# Altium PCB EPS_V2.PcbDoc (part 1 of 4) (continued)
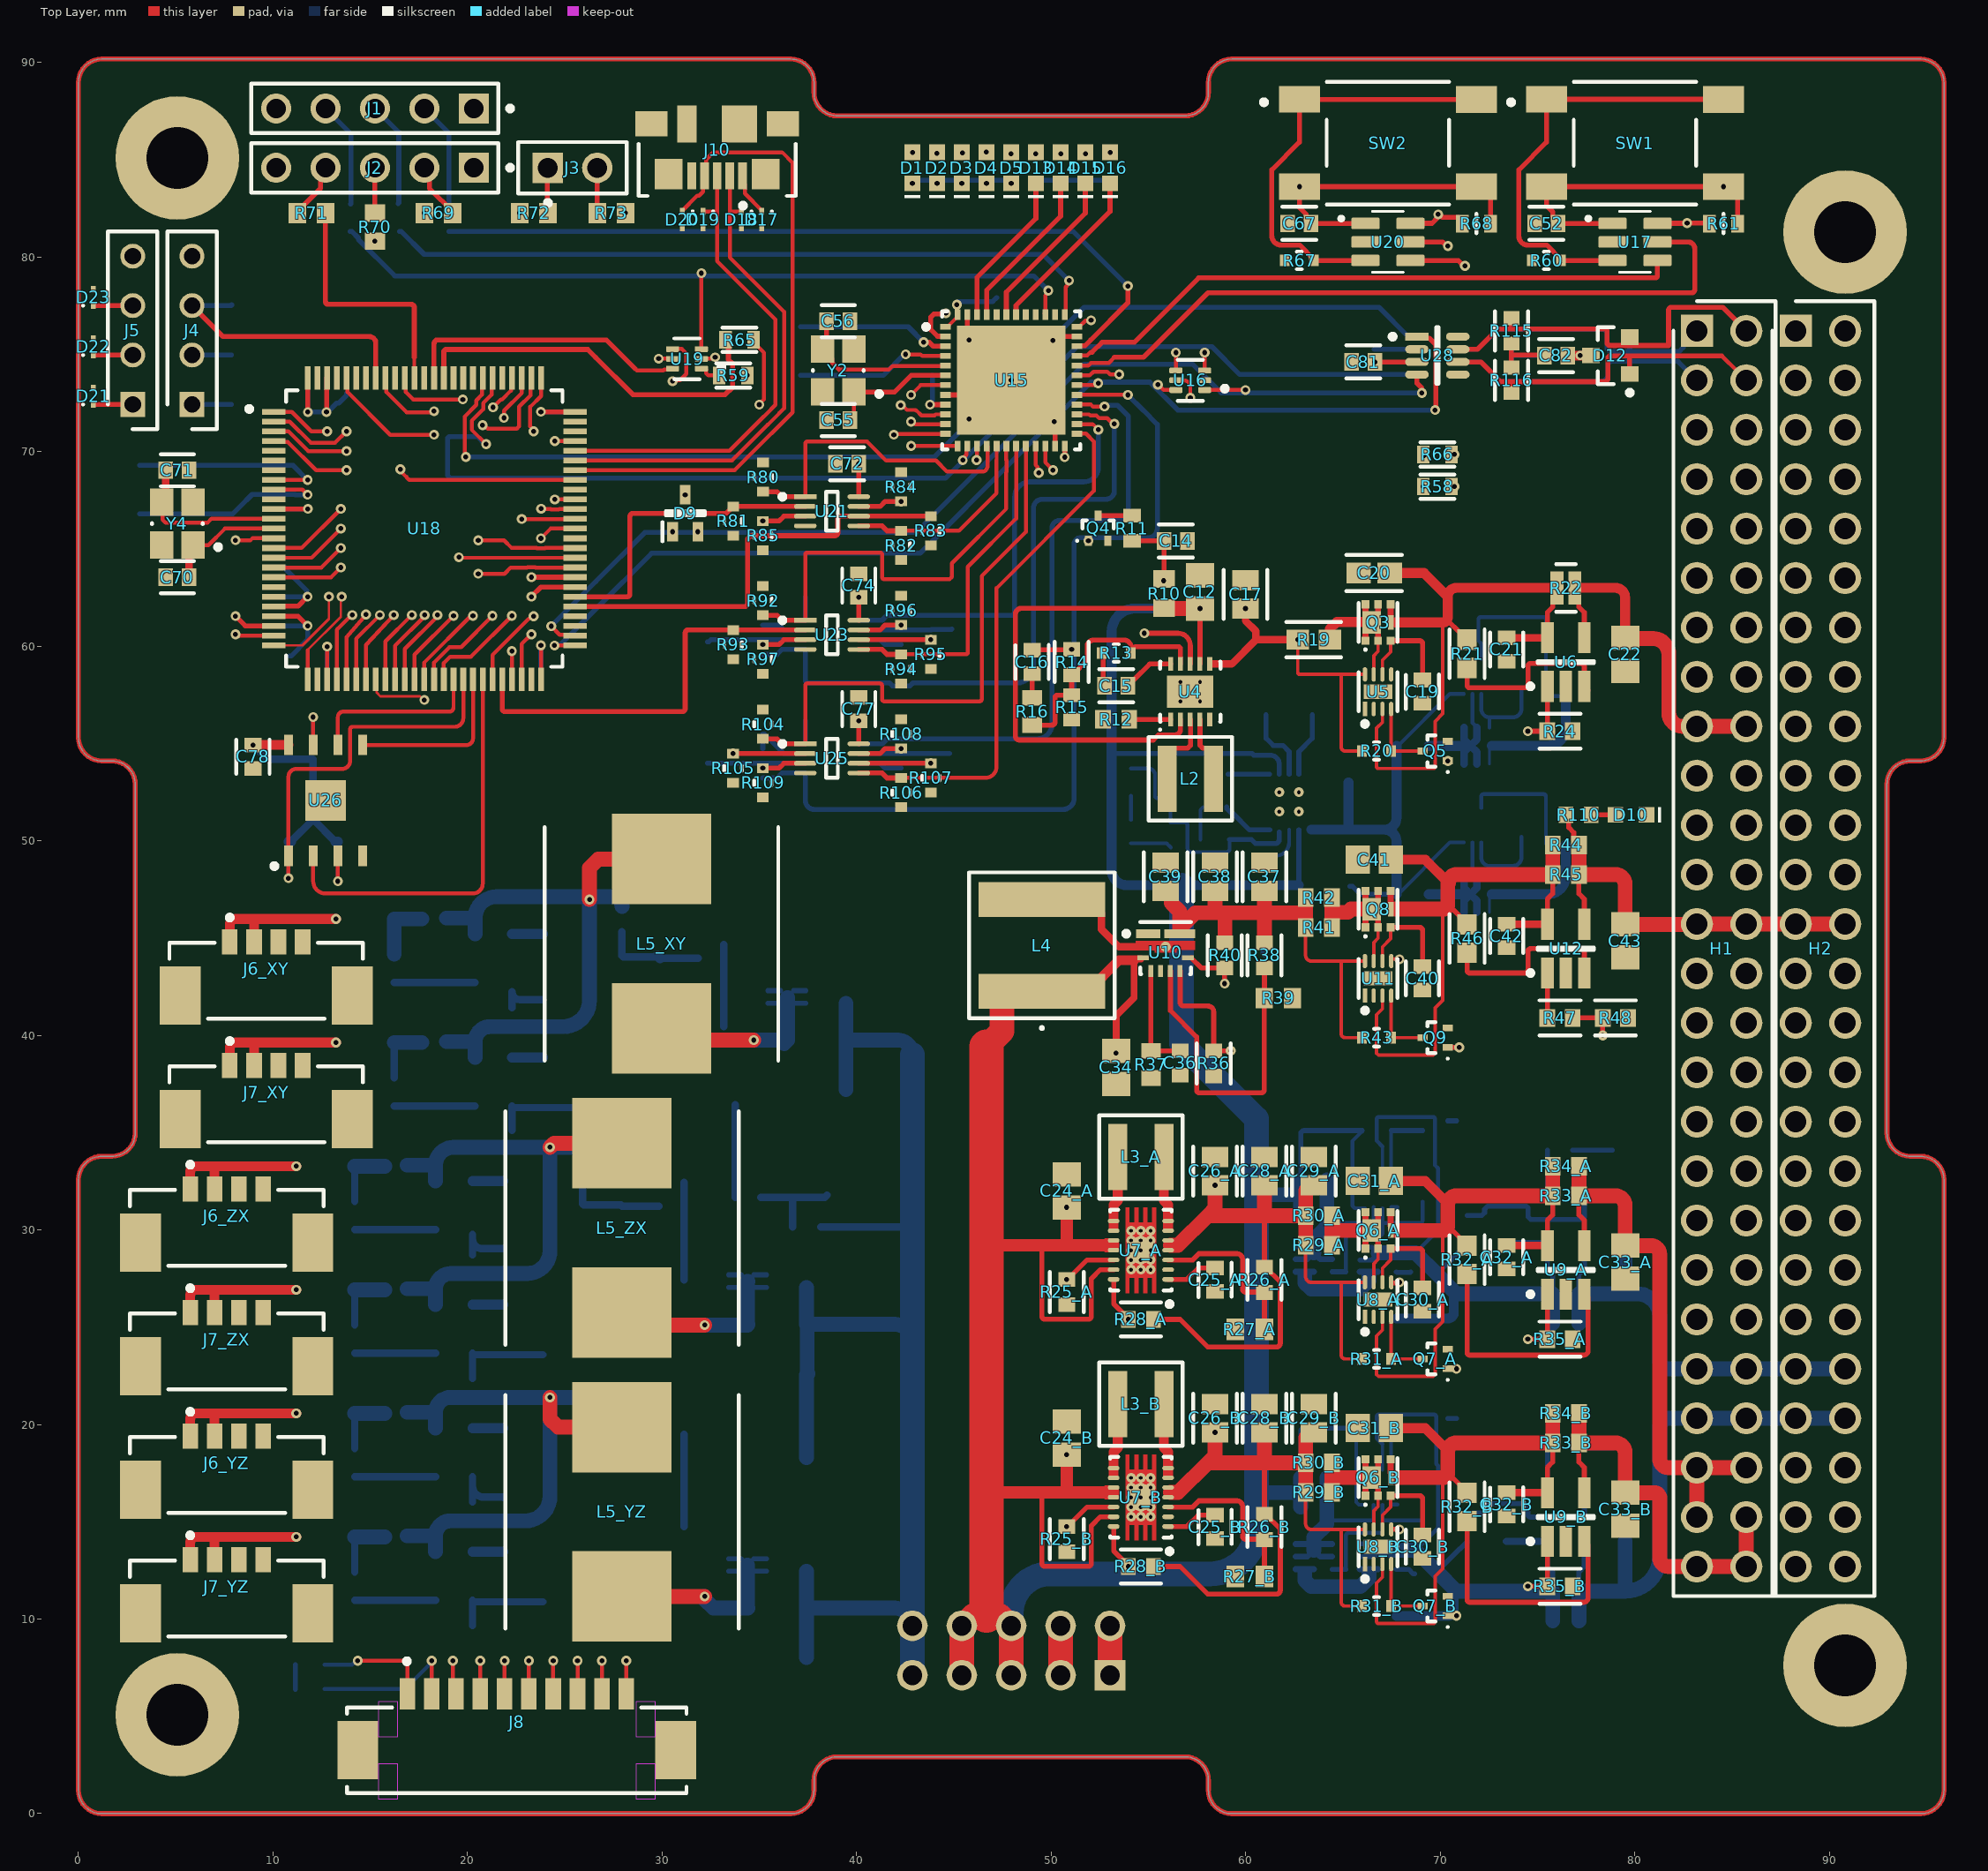
[diagram p0: Top Layer view]
## Components (designator, comment, footprint, x,y, rotation, side; value= is the part's Value field where it differs from the comment) (continued)
C53 "1.5pF" FP-C0603C-CF-MFG 36.515,76.41 r180 bottom locked value="1.5 pF"
C54 "1.5pF" FP-C0603C-CF-MFG 36.515,73.91 r180 bottom locked value="1.5 pF"
C55 "3.9pF" FP-CBR06C-MFG 39.055,71.62 r180 top locked value="3.9 pF"
C56 "3.9pF" FP-CBR06C-MFG 39.055,76.7 r0 top locked value="3.9 pF"
C57 "0.1uF" FP-C0603C-CF-MFG 11.78,73.79 r90 bottom locked value="0.10 μF"
C58 "0.1uF" FP-C0603C-CF-MFG 25.53,72.04 r0 bottom locked value="0.10 μF"
C59 "0.1uF" FP-C0603C-CF-MFG 23.78,58.29 r270 bottom locked value="0.10 μF"
C60 "0.1uF" FP-C0603C-CF-MFG 12.78,58.29 r270 bottom locked value="0.10 μF"
C61 "0.1uF" FP-C0603C-CF-MFG 10.03,67.04 r180 bottom locked value="0.10 μF"
C62 "4.7uF" FP-GRM188-0_15-IPC_A 13.78,73.79 r90 bottom locked
C63 "0.1uF" FP-C0603C-CF-MFG 10.03,64.04 r180 bottom locked value="0.10 μF"
C64 "1uF" CAPC1608X90X35LL15T15 10.03,62.54 r180 bottom locked
C65 "1uF" CAPC1608X90X35LL15T15 10.03,61.04 r180 bottom locked
C66 "10nF" FP-GRM188-0_1-e0_2_0_5-IPC_A 10.03,59.49 r180 bottom locked
C67 "0.1uF" FP-C0603C-CF-MFG 62.76,81.722 r180 top locked value="0.10 μF"
C68 "1.5pF" FP-C0603C-CF-MFG 2.54,69.29 r180 bottom locked value="1.5 pF"
C69 "1.5pF" FP-C0603C-CF-MFG 2.54,66.79 r180 bottom locked value="1.5 pF"
C70 "3.9pF" FP-CBR06C-MFG 5.08,63.54 r180 top locked value="3.9 pF"
C71 "3.9pF" FP-CBR06C-MFG 5.08,69.04 r0 top locked value="3.9 pF"
C72 "0.1uF" FP-C0603C-CF-MFG 39.511,69.377 r0 top locked value="0.10 μF"
C73 "0.1uF" FP-C0603C-CF-MFG 37.359,63.119 r270 bottom locked value="0.10 μF"
C74 "0.1uF" FP-C0603C-CF-MFG 40.111,63.119 r270 top locked value="0.10 μF"
C75 "0.1uF" FP-C0603C-CF-MFG 37.359,56.769 r270 bottom locked value="0.10 μF"
C77 "0.1uF" FP-C0603C-CF-MFG 40.111,56.769 r270 top locked value="0.10 μF"
C78 "0.1uF" FP-C0603C-CF-MFG 8.972,54.32 r270 top locked value="0.10 μF"
C79 "0.1uF" FP-C0603C-CF-MFG 66.04,75.255 r180 bottom locked value="0.10 μF"
C80 "C0603C472K2RACTU" FP-C0603C-CF-MFG 75.946,74.93 r0 bottom locked value="4,700 pF"
C81 "0.1uF" FP-C0603C-CF-MFG 66.04,74.605 r180 top locked value="0.10 μF"
C82 "C0603C472K2RACTU" FP-C0603C-CF-MFG 75.946,74.93 r0 top locked value="4,700 pF"
C83_XY "0.1uF" FP-C0603C-CF-MFG 23.876,44.608 r270 bottom locked value="0.10 μF" (schematic designator C83)
C83_YZ "0.1uF" FP-C0603C-CF-MFG 21.844,19.208 r270 bottom locked value="0.10 μF" (schematic designator C83)
C83_ZX "0.1uF" FP-C0603C-CF-MFG 21.844,31.908 r270 bottom locked value="0.10 μF" (schematic designator C83)
C85_XY "0.1uF" FP-C0603C-CF-MFG 23.876,38.258 r270 bottom locked value="0.10 μF" (schematic designator C85)
C85_YZ "0.1uF" FP-C0603C-CF-MFG 21.844,12.858 r270 bottom locked value="0.10 μF" (schematic designator C85)
C85_ZX "0.1uF" FP-C0603C-CF-MFG 21.844,25.558 r270 bottom locked value="0.10 μF" (schematic designator C85)
C87_XY "0.1uF" FP-C0603C-CF-MFG 32.562,40.449 r180 bottom locked value="0.10 μF" (schematic designator C87)
C87_YZ "0.1uF" FP-C0603C-CF-MFG 30.53,14.758 r180 bottom locked value="0.10 μF" (schematic designator C87)
C87_ZX "0.1uF" FP-C0603C-CF-MFG 30.53,27.426 r180 bottom locked value="0.10 μF" (schematic designator C87)
C88 "22uF" FP-GRM21B-0_2-e0_2_0_7-IPC_C#2 37.422,13.178 r90 bottom locked
C89 "22uF" FP-GRM21B-0_2-e0_2_0_7-IPC_C#2 36.759,22.609 r180 bottom locked
C90 "22uF" FP-GRM21B-0_2-e0_2_0_7-IPC_C#2 38.728,37.214 r180 bottom locked
C91 "22uF" FP-GRM21B-0_2-e0_2_0_7-IPC_C#2 37.422,27.765 r90 bottom locked
C92 "22uF" FP-GRM21B-0_2-e0_2_0_7-IPC_C#2 36.696,8.023 r180 bottom locked
C93 "22uF" FP-GRM21B-0_2-e0_2_0_7-IPC_C#2 39.454,42.37 r90 bottom locked
C94 "0.1uF" FP-C0603C-CF-MFG 36.822,18.291 r180 bottom locked value="0.10 μF"
C95 "0.1uF" FP-C0603C-CF-MFG 36.822,20.323 r180 bottom locked value="0.10 μF"
C96 "0.1uF" FP-C0603C-CF-MFG 38.481,32.391 r90 bottom locked value="0.10 μF"
C97 "0.1uF" FP-C0603C-CF-MFG 34.367,35.58 r0 bottom locked value="0.10 μF"
C98 "0.1uF" FP-C0603C-CF-MFG 44.495,73.91 r0 bottom locked value="0.10 μF"
C104_XY "0.1uF" FP-C0603C-CF-MFG 29.972,43.359 r270 bottom locked value="0.10 μF" (schematic designator C104)
C104_YZ "0.1uF" FP-C0603C-CF-MFG 27.94,17.884 r270 bottom locked value="0.10 μF" (schematic designator C104)
C104_ZX "0.1uF" FP-C0603C-CF-MFG 27.94,30.614 r270 bottom locked value="0.10 μF" (schematic designator C104)
D1 "150060RS75000" WL-SMCW_0603_150060xx75000 42.865,84.582 r90 top
D2 "150060RS75000" WL-SMCW_0603_150060xx75000 44.135,84.582 r90 top
D3 "150060RS75000" WL-SMCW_0603_150060xx75000 45.405,84.582 r90 top
D4 "150060RS75000" WL-SMCW_0603_150060xx75000 46.675,84.582 r90 top
D5 "150060RS75000" WL-SMCW_0603_150060xx75000 47.945,84.582 r90 top
D6 "ESD9B5.0ST5G" ONSC-SOD-923-2-514AB-01_V 7.87,72.84 r90 bottom locked
D7 "ESD9B5.0ST5G" ONSC-SOD-923-2-514AB-01_V 7.87,75.38 r90 bottom locked
D8 "ESD9B5.0ST5G" ONSC-SOD-923-2-514AB-01_V 7.87,77.92 r90 bottom locked
D9 "BAS40-05W" SOT65P210X110-3N 31.187,66.829 r90 top locked
D10 "150060RS75000" WL-SMCW_0603_150060xx75000 79.802,51.334 r180 top locked
D11 "NUP2105LT1G" ONSC-SOT-23-3-318-08_V 78.74,74.93 r180 bottom locked
D12 "NUP2105LT1G" ONSC-SOT-23-3-318-08_V 78.74,74.93 r180 top locked
D13 "150060RS75000" WL-SMCW_0603_150060xx75000 49.215,84.582 r90 top locked
D13_XY "NRVB120VLSFT1G" SODFL3616X98N 14.732,45.974 r180 bottom locked (schematic designator D13)
D13_YZ "NRVB120VLSFT1G" SODFL3616X98N 12.7,20.574 r180 bottom locked (schematic designator D13)
D13_ZX "NRVB120VLSFT1G" SODFL3616X98N 12.7,33.274 r180 bottom locked (schematic designator D13)
D14 "150060RS75000" WL-SMCW_0603_150060xx75000 50.485,84.582 r90 top locked
D14_XY "NRVB120VLSFT1G" SODFL3616X98N 14.732,39.624 r180 bottom locked (schematic designator D14)
D14_YZ "NRVB120VLSFT1G" SODFL3616X98N 12.7,14.224 r180 bottom locked (schematic designator D14)
D14_ZX "NRVB120VLSFT1G" SODFL3616X98N 12.7,26.924 r180 bottom locked (schematic designator D14)
D15 "150060RS75000" WL-SMCW_0603_150060xx75000 51.755,84.582 r90 top locked
D15_XY "NRVB120VLSFT1G" SODFL3616X98N 37.954,39.754 r180 bottom locked (schematic designator D15)
D15_YZ "NRVB120VLSFT1G" SODFL3616X98N 35.922,10.563 r180 bottom locked (schematic designator D15)
D15_ZX "NRVB120VLSFT1G" SODFL3616X98N 35.922,25.149 r180 bottom locked (schematic designator D15)
D16 "150060RS75000" WL-SMCW_0603_150060xx75000 53.025,84.582 r90 top locked
D17 "ESD9B5.0ST5G" ONSC-SOD-923-2-514AB-01_V 35.117,81.915 r270 top locked
D18 "ESD9B5.0ST5G" ONSC-SOD-923-2-514AB-01_V 34.066,81.915 r270 top locked
D19 "ESD9B5.0ST5G" ONSC-SOD-923-2-514AB-01_V 32.101,81.915 r270 top locked
D20 "ESD9B5.0ST5G" ONSC-SOD-923-2-514AB-01_V 31.046,81.915 r270 top locked
D21 "ESD9B5.0ST5G" ONSC-SOD-923-2-514AB-01_V 0.758,72.84 r90 top locked
D22 "ESD9B5.0ST5G" ONSC-SOD-923-2-514AB-01_V 0.758,75.38 r90 top locked
D23 "ESD9B5.0ST5G" ONSC-SOD-923-2-514AB-01_V 0.758,77.92 r90 top locked
H1 "ESQ-126-39-G-D-001" RHDR52W64P254_2X26_6654X495X1135P 83.19,76.2 r270 top locked
H2 "ESQ-126-39-G-D-001" RHDR52W64P254_2X26_6654X495X1135P 88.27,76.2 r270 top locked
J1 "90120-0125" FP-90120-0125-MFG 15.24,87.63 r180 top locked
J2 "90120-0125" FP-90120-0125-MFG 15.24,84.582 r180 top locked
J3 "M20-9990245" FP-M20-9990245-MFG 25.4,84.582 r0 top locked
J4 "90120-0124" HDRV4W65P0X254_1X4_1016X254X945P 5.838,72.42 r90 top locked
J5 "90120-0124" HDRV4W65P0X254_1X4_1016X254X945P 2.79,72.42 r90 top locked
J6_XY "533980471" FP-533980471-MFG 9.652,42.799 r180 top locked (schematic designator J6)
J6_YZ "533980471" FP-533980471-MFG 7.62,17.399 r180 top locked (schematic designator J6)
J6_ZX "533980471" FP-533980471-MFG 7.62,30.099 r180 top locked (schematic designator J6)
J7_XY "533980471" FP-533980471-MFG 9.652,36.449 r180 top locked (schematic designator J7)
J7_YZ "533980471" FP-533980471-MFG 7.62,11.049 r180 top locked (schematic designator J7)
J7_ZX "533980471" FP-533980471-MFG 7.62,23.749 r180 top locked (schematic designator J7)
J8 "53261-1071" FP-532611071-MFG 22.53,3.757 r180 top locked
J9 "IPT1-105-03-L-D" FP-IPT1-105-03-L-D-MFG 47.945,8.382 r180 bottom locked
J10 "473460001" FP-473460001-MFG 32.829,86.487 r180 top locked
L1 "XGL4020-472MEC" FP-XGL4020-MFG 62.23,56.468 r180 bottom locked value=4.7uH
L2 "XGL4020-472MEC" FP-XGL4020-MFG 57.15,53.181 r180 top locked value=4.7uH
L3_A "XGL4020-152MEC" FP-XGL4020-MFG 54.61,33.746 r0 top locked value=1.5uH (schematic designator L3)
L3_B "XGL4020-152MEC" FP-XGL4020-MFG 54.61,21.046 r0 top locked value=1.5uH (schematic designator L3)
L4 "XAL7030-102MEC" XAL7030102MEC 49.522,44.62 r90 top locked
L5_XY "MSS1278H-104KED" INDPM120120X805N 29.972,44.704 r270 top locked (schematic designator L5)
L5_YZ "MSS1278H-104KED" INDPM120120X805N 27.94,15.513 r270 top locked (schematic designator L5)
L5_ZX "MSS1278H-104KED" INDPM120120X805N 27.94,30.099 r270 top locked (schematic designator L5)
Q1 "SSM6K514NU,LF" UDFN6B 71.882,47.244 r0 bottom locked
Q2 "SSM6K514NU,LF" UDFN6B 71.882,54.864 r0 bottom locked
Q3 "SSM6K514NU,LF" UDFN6B 66.802,61.214 r0 top locked
Q4 "DTC144EET1G" ONSC-SC-75-3-463-01_V 52.416,66.06 r90 top locked
Q5 "DTC144EET1G" ONSC-SC-75-3-463-01_V 69.735,54.61 r180 top locked
Q6_A "SSM6K514NU,LF" UDFN6B 66.802,29.972 r0 top locked (schematic designator Q6)
Q6_B "SSM6K514NU,LF" UDFN6B 66.802,17.272 r0 top locked (schematic designator Q6)
Q7_A "DTC144EET1G" ONSC-SC-75-3-463-01_V 69.735,23.368 r180 top locked (schematic designator Q7)
Q7_B "DTC144EET1G" ONSC-SC-75-3-463-01_V 69.735,10.668 r180 top locked (schematic designator Q7)
Q8 "SSM6K514NU,LF" UDFN6B 66.802,46.482 r0 top locked
Q9 "DTC144EET1G" ONSC-SC-75-3-463-01_V 69.735,39.878 r180 top locked
Q10_M "SSM6K514NU,LF" UDFN6B 63.5,28.448 r270 bottom locked (schematic designator Q10)
Q10_N "SSM6K514NU,LF" UDFN6B 63.5,13.208 r270 bottom locked (schematic designator Q10)
Q11_M "SSM6K514NU,LF" UDFN6B 66.802,28.448 r270 bottom locked (schematic designator Q11)
Q11_N "SSM6K514NU,LF" UDFN6B 66.802,13.208 r270 bottom locked (schematic designator Q11)
Q12_M "DTC144EET1G" ONSC-SC-75-3-463-01_V 69.735,35.102 r180 bottom locked (schematic designator Q12)
Q12_N "DTC144EET1G" ONSC-SC-75-3-463-01_V 69.736,19.812 r180 bottom locked (schematic designator Q12)
R1 "100K" RESC1608X55X30ML20T10 60.887,46.949 r90 bottom locked
R2 "33.2K" RESC1608X55X30NL15T15 58.42,53.416 r0 bottom locked
R3 "10K" FP-RK73B1J-MFG 58.42,50.051 r0 bottom locked
R4 "1M" FP-ERJ3EK-IPC_C 56.134,50.292 r90 bottom locked
R5 "576K" RESC1608X55X30LL15T15#1 56.134,52.791 r270 bottom locked
R6 "15K" RESC1608X55X30NL20T10 54.102,53.007 r270 bottom locked
R7 "0.5 OHM" FP-CSR0603-IPC_A 68.58,47.244 r0 bottom locked
R8 "0.25 Ohm" FP-CSR0603-IPC_A 68.58,54.864 r0 bottom locked
R9 "10K" FP-RK73B1J-MFG 73.307,60.706 r0 bottom locked
R10 "100K" RESC1608X55X30ML20T10 55.807,62.7 r270 top locked
R11 "100" RESC1608X55X30LL20T10 54.152,66.057 r270 top locked
R12 "33.2K" RESC1608X55X30NL15T15 53.34,56.233 r0 top locked
R13 "10K" FP-RK73B1J-MFG 53.34,59.644 r0 top locked
R14 "1M" FP-ERJ3EK-IPC_C 51.054,59.182 r270 top locked
R15 "576K" RESC1608X55X30LL15T15#1 51.054,56.858 r90 top locked
R16 "15K" RESC1608X55X30NL20T10 49.022,56.642 r90 top locked
R19 "0.2 OHM" FP-CSR0603-IPC_A 63.5,60.332 r0 top locked
R20 "10K" FP-RK73B1J-MFG 66.727,54.61 r0 top locked
R21 "A 100" FP-ERA3A-IPC_B 71.374,59.606 r270 top locked
R22 "0.025" FP-PRL0816-MFG 76.454,62.992 r0 top locked
R24 "4.99K" FP-ERA3A-IPC_C 76.154,55.626 r0 top locked
R25_A "1M" FP-ERJ3EK-IPC_C 50.8,26.805 r90 top locked (schematic designator R25)
R25_B "1M" FP-ERJ3EK-IPC_C 50.8,14.105 r90 top locked (schematic designator R25)
R26_A "1M" FP-ERJ3EK-IPC_C 60.96,27.432 r90 top locked (schematic designator R26)
R26_B "1M" FP-ERJ3EK-IPC_C 60.96,14.732 r90 top locked (schematic designator R26)
R27_A "F180K" RESC1608X55X30ML20T10 60.21,24.892 r0 top locked (schematic designator R27)
R27_B "F180K" RESC1608X55X30ML20T10 60.21,12.192 r0 top locked (schematic designator R27)
R28_A "1M" FP-ERJ3EK-IPC_C 54.61,25.4 r0 top locked (schematic designator R28)
R28_B "1M" FP-ERJ3EK-IPC_C 54.61,12.7 r0 top locked (schematic designator R28)
R29_A "0.05 Ohm" RESC1608X55X30NL15T15 63.754,29.21 r0 top locked (schematic designator R29)
R29_B "0.05 Ohm" RESC1608X55X30NL15T15 63.754,16.51 r0 top locked (schematic designator R29)
R30_A "0.05 Ohm" RESC1608X55X30NL15T15 63.754,30.734 r0 top locked (schematic designator R30)
R30_B "0.05 Ohm" RESC1608X55X30NL15T15 63.754,18.034 r0 top locked (schematic designator R30)
R31_A "10K" FP-RK73B1J-MFG 66.727,23.368 r0 top locked (schematic designator R31)
R31_B "10K" FP-RK73B1J-MFG 66.727,10.668 r0 top locked (schematic designator R31)
R32_A "A 100" FP-ERA3A-IPC_B 71.374,28.464 r270 top locked (schematic designator R32)
R32_B "A 100" FP-ERA3A-IPC_B 71.374,15.764 r270 top locked (schematic designator R32)
R33_A "0.05 Ohm" RESC1608X55X30NL15T15 76.454,31.75 r0 top locked (schematic designator R33)
R33_B "0.05 Ohm" RESC1608X55X30NL15T15 76.454,19.05 r0 top locked (schematic designator R33)
R34_A "0.05 Ohm" RESC1608X55X30NL15T15 76.454,33.274 r0 top locked (schematic designator R34)
R34_B "0.05 Ohm" RESC1608X55X30NL15T15 76.454,20.574 r0 top locked (schematic designator R34)
R35_A "4.99K" FP-ERA3A-IPC_C 76.154,24.384 r0 top locked (schematic designator R35)
R35_B "4.99K" FP-ERA3A-IPC_C 76.154,11.684 r0 top locked (schematic designator R35)
R36 "1M" FP-ERJ3EK-IPC_C 58.353,38.553 r270 top locked
R37 "82.5K" RESC1608X55X30NL20T10 55.13,38.504 r90 top locked
R38 "1M" FP-ERJ3EK-IPC_C 60.96,44.109 r270 top locked
R39 "332K" RESC1608X55X30ML15T15 61.674,41.91 r180 top locked
R40 "1M" FP-ERJ3EK-IPC_C 58.928,44.109 r270 top locked
R41 "0.05 Ohm" RESC1608X55X30NL15T15 63.754,45.545 r0 top locked
R42 "0.05 Ohm" RESC1608X55X30NL15T15 63.754,47.069 r0 top locked
R43 "10K" FP-RK73B1J-MFG 66.727,39.878 r0 top locked
R44 "0.05 Ohm" RESC1608X55X30NL15T15 76.454,49.784 r0 top locked
R45 "0.05 Ohm" RESC1608X55X30NL15T15 76.454,48.26 r0 top locked
R46 "A 100" FP-ERA3A-IPC_B 71.374,44.974 r270 top locked
R47 "4.99K" FP-ERA3A-IPC_C 76.154,40.894 r0 top locked
R48 "4.99K" FP-ERA3A-IPC_C 79.002,40.894 r0 top locked
R49_M "0.05 Ohm" RESC1608X55X30NL15T15 63.5,32.512 r0 bottom locked (schematic designator R49)
R49_N "0.05 Ohm" RESC1608X55X30NL15T15 63.5,15.748 r0 bottom locked (schematic designator R49)
R50_M "0.05 Ohm" RESC1608X55X30NL15T15 63.5,30.988 r0 bottom locked (schematic designator R50)
R50_N "0.05 Ohm" RESC1608X55X30NL15T15 63.5,17.272 r0 bottom locked (schematic designator R50)
R51_M "10K" FP-RK73B1J-MFG 66.727,35.102 r0 bottom locked (schematic designator R51)
R51_N "10K" FP-RK73B1J-MFG 66.727,19.812 r0 bottom locked (schematic designator R51)
R53_M "A 100" FP-ERA3A-IPC_B 71.374,29.956 r90 bottom locked (schematic designator R53)
R53_N "A 100" FP-ERA3A-IPC_B 71.374,14.716 r90 bottom locked (schematic designator R53)
R54_M "0.05 Ohm" RESC1608X55X30NL15T15 76.454,25.162 r0 bottom locked (schematic designator R54)
R54_N "0.05 Ohm" RESC1608X55X30NL15T15 76.454,9.922 r0 bottom locked (schematic designator R54)
R55_M "0.05 Ohm" RESC1608X55X30NL15T15 76.454,26.67 r0 bottom locked (schematic designator R55)
R55_N "0.05 Ohm" RESC1608X55X30NL15T15 76.454,11.43 r0 bottom locked (schematic designator R55)
R56_M "4.99K" FP-ERA3A-IPC_C 76.154,34.036 r0 bottom locked (schematic designator R56)
R56_N "4.99K" FP-ERA3A-IPC_C 76.154,18.796 r0 bottom locked (schematic designator R56)
R57_M "4.99K" FP-ERA3A-IPC_C 79.502,34.036 r0 bottom locked (schematic designator R57)
R57_N "4.99K" FP-ERA3A-IPC_C 79.502,18.796 r0 bottom locked (schematic designator R57)
R58 "100 ohm" FP-ERJP03-MFG 69.85,68.199 r180 top locked
R59 "100 ohm" FP-ERJP03-MFG 33.655,73.91 r0 top locked
R60 "10K" FP-RK73B1J-MFG 75.46,79.822 r0 top locked
R61 "100K" FP-ERA3A-MFG 84.56,81.711 r180 top locked
R62 "ERJ-3EKF49R9V" RESC1608X55X30ML15T15 19.05,82.042 r90 bottom
R63 "ERJ-3EKF49R9V" RESC1608X55X30ML15T15 16.51,82.042 r90 bottom
R64 "ERJ-3EKF49R9V" RESC1608X55X30ML15T15 13.97,82.042 r90 bottom
R65 "100 ohm" FP-ERJP03-MFG 33.98,75.74 r180 top
R66 "100 ohm" FP-ERJP03-MFG 69.85,69.85 r180 top locked
R67 "10K" FP-RK73B1J-MFG 62.76,79.822 r0 top locked
R68 "100K" FP-ERA3A-MFG 71.86,81.711 r180 top locked
R69 "ERJ-3EKF49R9V" RESC1608X55X30ML15T15 18.505,82.259 r0 top locked
R70 "ERJ-3EKF49R9V" RESC1608X55X30ML15T15 15.24,81.534 r90 top locked
R71 "ERJ-3EKF49R9V" RESC1608X55X30ML15T15 11.975,82.259 r180 top locked
R72 "ERJ-3EKF49R9V" RESC1608X55X30ML15T15 23.405,82.259 r0 top locked
R73 "ERJ-3EKF49R9V" RESC1608X55X30ML15T15 27.395,82.259 r180 top locked
R74 "ERJ-3EKF3300V" RESC1608X55X30LL15T15#2 42.865,84.582 r90 bottom
R75 "ERJ-3EKF3300V" RESC1608X55X30LL15T15#2 44.135,84.582 r90 bottom
R76 "ERJ-3EKF3300V" RESC1608X55X30LL15T15#2 45.405,84.582 r90 bottom
R77 "ERJ-3EKF3300V" RESC1608X55X30LL15T15#2 46.675,84.582 r90 bottom
R78 "ERJ-3EKF3300V" RESC1608X55X30LL15T15#2 47.945,84.582 r90 bottom
R80 "10K" FP-RK73B1J-MFG 35.19,68.683 r270 top locked
R81 "10K" FP-RK73B1J-MFG 33.655,66.429 r90 top locked
R82 "10K" FP-RK73B1J-MFG 42.291,65.175 r90 top locked
R83 "10K" FP-RK73B1J-MFG 43.815,65.929 r90 top locked
R84 "10K" FP-RK73B1J-MFG 42.291,68.183 r270 top locked
R85 "10K" FP-RK73B1J-MFG 35.179,65.675 r90 top locked
R86 "10K" FP-RK73B1J-MFG 42.291,62.333 r270 bottom locked
R87 "10K" FP-RK73B1J-MFG 43.815,60.079 r90 bottom locked
R88 "10K" FP-RK73B1J-MFG 35.179,58.825 r90 bottom locked
R89 "10K" FP-RK73B1J-MFG 33.655,59.579 r90 bottom locked
R90 "10K" FP-RK73B1J-MFG 35.179,61.833 r270 bottom locked
R91 "10K" FP-RK73B1J-MFG 42.291,59.325 r90 bottom locked
R92 "10K" FP-RK73B1J-MFG 35.179,62.333 r270 top locked
R93 "10K" FP-RK73B1J-MFG 33.655,60.079 r90 top locked
R94 "10K" FP-RK73B1J-MFG 42.291,58.825 r90 top locked
R95 "10K" FP-RK73B1J-MFG 43.815,59.579 r90 top locked
R96 "10K" FP-RK73B1J-MFG 42.291,61.833 r270 top locked
R97 "10K" FP-RK73B1J-MFG 35.179,59.325 r90 top locked
R98 "10K" FP-RK73B1J-MFG 42.291,55.983 r270 bottom locked
R99 "10K" FP-RK73B1J-MFG 43.815,53.729 r90 bottom locked
R100 "10K" FP-RK73B1J-MFG 35.179,52.475 r90 bottom locked
R101 "10K" FP-RK73B1J-MFG 33.655,53.229 r90 bottom locked
R102 "10K" FP-RK73B1J-MFG 35.179,55.483 r270 bottom locked
R103 "10K" FP-RK73B1J-MFG 42.291,52.975 r90 bottom locked
R104 "10K" FP-RK73B1J-MFG 35.179,55.983 r270 top locked
R105 "10K" FP-RK73B1J-MFG 33.644,53.729 r90 top locked
R106 "10K" FP-RK73B1J-MFG 42.291,52.475 r90 top locked
R107 "10K" FP-RK73B1J-MFG 43.815,53.229 r90 top locked
R108 "10K" FP-RK73B1J-MFG 42.291,55.483 r270 top locked
R109 "10K" FP-RK73B1J-MFG 35.179,52.975 r90 top locked
R110 "ERJ-3EKF3300V" RESC1608X55X30LL15T15#2 77.104,51.334 r0 top locked
R111 "100K" FP-ERA3A-MFG 13.335,49.22 r270 bottom locked
R112 "100K" FP-ERA3A-MFG 12.065,54.92 r90 bottom locked
R113 "60.4 Ohm" FP-RC1608-IPC_C 73.66,73.66 r90 bottom locked
R114 "60.4 Ohm" FP-RC1608-IPC_C 73.66,76.2 r90 bottom locked
R115 "60.4 Ohm" FP-RC1608-IPC_C 73.66,76.2 r270 top locked
R116 "60.4 Ohm" FP-RC1608-IPC_C 73.66,73.66 r270 top locked
R117 "ERJ-3EKF3300V" RESC1608X55X30LL15T15#2 49.215,84.582 r90 bottom locked
R117_XY "A 100" FP-ERA3A-IPC_B 16.232,43.434 r270 bottom locked (schematic designator R117)
R117_YZ "A 100" FP-ERA3A-IPC_B 14.2,18.034 r270 bottom locked (schematic designator R117)
R117_ZX "A 100" FP-ERA3A-IPC_B 14.2,30.734 r270 bottom locked (schematic designator R117)
R118 "ERJ-3EKF3300V" RESC1608X55X30LL15T15#2 50.485,84.582 r90 bottom locked
R118_XY "0.025" FP-PRL0816-MFG 18.288,45.974 r0 bottom locked (schematic designator R118)
R118_YZ "0.025" FP-PRL0816-MFG 16.256,20.574 r0 bottom locked (schematic designator R118)
R118_ZX "0.025" FP-PRL0816-MFG 16.256,33.274 r0 bottom locked (schematic designator R118)
R119 "ERJ-3EKF3300V" RESC1608X55X30LL15T15#2 51.755,84.582 r90 bottom locked
R119_XY "4.99K" FP-ERA3A-IPC_C 23.876,42.291 r90 bottom locked (schematic designator R119)
R119_YZ "4.99K" FP-ERA3A-IPC_C 21.844,16.891 r90 bottom locked (schematic designator R119)
R119_ZX "4.99K" FP-ERA3A-IPC_C 21.844,29.591 r90 bottom locked (schematic designator R119)
R120 "ERJ-3EKF3300V" RESC1608X55X30LL15T15#2 53.025,84.582 r90 bottom locked
R120_XY "A 100" FP-ERA3A-IPC_B 16.232,37.084 r270 bottom locked (schematic designator R120)
R120_YZ "A 100" FP-ERA3A-IPC_B 14.2,11.684 r270 bottom locked (schematic designator R120)
R120_ZX "A 100" FP-ERA3A-IPC_B 14.2,24.384 r270 bottom locked (schematic designator R120)
R121_XY "0.025" FP-PRL0816-MFG 18.288,39.624 r0 bottom locked (schematic designator R121)
R121_YZ "0.025" FP-PRL0816-MFG 16.256,14.224 r0 bottom locked (schematic designator R121)
R121_ZX "0.025" FP-PRL0816-MFG 16.256,26.924 r0 bottom locked (schematic designator R121)
R122_XY "4.99K" FP-ERA3A-IPC_C 25.908,36.934 r90 bottom locked (schematic designator R122)
R122_YZ "4.99K" FP-ERA3A-IPC_C 23.876,11.534 r90 bottom locked (schematic designator R122)
R122_ZX "4.99K" FP-ERA3A-IPC_C 23.876,24.234 r90 bottom locked (schematic designator R122)
R123_XY "ERJ-3EKF9312V" FP-ERJ3EK-IPC_C 27.94,45.974 r270 bottom locked (schematic designator R123)
R123_YZ "ERJ-3EKF9312V" FP-ERJ3EK-IPC_C 25.908,20.149 r270 bottom locked (schematic designator R123)
R123_ZX "ERJ-3EKF9312V" FP-ERJ3EK-IPC_C 25.908,33.097 r270 bottom locked (schematic designator R123)
R124_XY "100K" FP-ERA3A-MFG 27.94,43.359 r270 bottom locked (schematic designator R124)
R124_YZ "100K" FP-ERA3A-MFG 25.908,17.884 r270 bottom locked (schematic designator R124)
R124_ZX "100K" FP-ERA3A-MFG 25.908,30.614 r270 bottom locked (schematic designator R124)
R125 "ERJ-3EKF3003V" FP-ERJ3EK-MFG 37.428,30.157 r180 bottom locked
R126 "100K" FP-ERA3A-MFG 36.703,32.391 r90 bottom locked
R127 "100K" FP-ERA3A-MFG 10.795,49.22 r270 bottom locked
R128 "10K" FP-RK73B1J-MFG 11.893,6.395 r180 bottom
R129 "10K" FP-RK73B1J-MFG 11.893,7.645 r180 bottom
SW1 "FSM2JSMAA" FP-FSM2JSMAA-MFG 80.01,85.852 r90 top locked
SW2 "FSM2JSMAA" FP-FSM2JSMAA-MFG 67.31,85.852 r90 top locked
U1 "LTC3530EDD#PBF" LT-DD-10_V 62.23,51.991 r270 bottom locked
U2 "LTC4361HDC-2#TRPBF" FP-DC8-8-05-08-1719-IPC_C 71.882,50.8 r270 bottom locked
U3 "LTC4361HDC-2#TRPBF" FP-DC8-8-05-08-1719-IPC_C 71.882,58.42 r270 bottom locked
U4 "LTC3530EDD#PBF" LT-DD-10_V 57.15,57.658 r90 top locked
U5 "LTC4361HDC-2#TRPBF" FP-DC8-8-05-08-1719-IPC_C 66.802,57.658 r90 top locked
U6 "LT6106HS5#TRPBF" LT-S5-5-TSOT-23_M 76.454,59.182 r90 top locked
U7_A "TPS63020QDSJRQ1" FP-DSJ0014A-MFG 54.61,28.956 r90 top locked (schematic designator U7)
U7_B "TPS63020QDSJRQ1" FP-DSJ0014A-MFG 54.61,16.256 r90 top locked (schematic designator U7)
U8_A "LTC4361HDC-2#TRPBF" FP-DC8-8-05-08-1719-IPC_C 66.802,26.416 r90 top locked (schematic designator U8)
U8_B "LTC4361HDC-2#TRPBF" FP-DC8-8-05-08-1719-IPC_C 66.802,13.716 r90 top locked (schematic designator U8)
U9_A "LT6106HS5#TRPBF" LT-S5-5-TSOT-23_M 76.454,27.94 r90 top locked (schematic designator U9)
U9_B "LT6106HS5#TRPBF" LT-S5-5-TSOT-23_M 76.454,15.24 r90 top locked (schematic designator U9)
U10 "TPS61235PRWLT" FP-RWL0009A-MFG 55.88,44.45 r0 top locked
U11 "LTC4361HDC-2#TRPBF" FP-DC8-8-05-08-1719-IPC_C 66.802,42.926 r90 top locked
U12 "LT6106HS5#TRPBF" LT-S5-5-TSOT-23_M 76.454,44.45 r90 top locked
U13_M "LTC4361HDC-2#TRPBF" FP-DC8-8-05-08-1719-IPC_C 66.802,32.004 r270 bottom locked (schematic designator U13)
U13_N "LTC4361HDC-2#TRPBF" FP-DC8-8-05-08-1719-IPC_C 66.802,16.764 r270 bottom locked (schematic designator U13)
U14_M "LT6106HS5#TRPBF" LT-S5-5-TSOT-23_M 76.454,30.48 r270 bottom locked (schematic designator U14)
U14_N "LT6106HS5#TRPBF" LT-S5-5-TSOT-23_M 76.454,15.24 r270 bottom locked (schematic designator U14)
U15 "STM32L452CEU6" FP-UFQFPN48-A0B9-MFG 47.945,73.66 r0 top locked
U16 "SN74LVC2G34DRLR" FP-DRL0006A-MFG 57.15,73.66 r180 top
U17 "TPL5010QDDCTQ1" SOT95P280X110-6N 80.01,80.772 r0 top locked
U18 "STM32L496VGT6" FP-LQFP100-1L-MFG 17.78,66.04 r0 top locked
U19 "SN74LVC2G34DRLR" FP-DRL0006A-MFG 31.28,74.763 r180 top locked
U20 "TPL5010QDDCTQ1" SOT95P280X110-6N 67.31,80.772 r0 top locked
U21 "SN74LVC2G32DCUT" FP-DCU0008A-IPC_B 38.735,66.929 r0 top locked
U22 "SN74LVC2G32DCUT" FP-DCU0008A-IPC_B 38.735,60.579 r180 bottom locked
U23 "SN74LVC2G32DCUT" FP-DCU0008A-IPC_B 38.735,60.579 r0 top locked
U24 "SN74LVC2G32DCUT" FP-DCU0008A-IPC_B 38.735,54.229 r180 bottom locked
U25 "SN74LVC2G32DCUT" FP-DCU0008A-IPC_B 38.735,54.229 r0 top locked
U26 "MR25H40MDF" SON127P600X500X90-9N-D 12.7,52.07 r90 top locked
U27 "TCAN332GDCNT" FP-DCN0008A-IPC_C 69.85,74.93 r0 bottom locked
U28 "TCAN332GDCNT" FP-DCN0008A-IPC_C 69.85,74.93 r0 top locked
U29_XY "LT6106HS5#TRPBF" LT-S5-5-TSOT-23_M 21.336,43.958 r90 bottom locked (schematic designator U29)
U29_YZ "LT6106HS5#TRPBF" LT-S5-5-TSOT-23_M 19.304,18.558 r90 bottom locked (schematic designator U29)
U29_ZX "LT6106HS5#TRPBF" LT-S5-5-TSOT-23_M 19.304,31.258 r90 bottom locked (schematic designator U29)
U30_XY "LT6106HS5#TRPBF" LT-S5-5-TSOT-23_M 21.336,37.608 r90 bottom locked (schematic designator U30)
U30_YZ "LT6106HS5#TRPBF" LT-S5-5-TSOT-23_M 19.304,12.208 r90 bottom locked (schematic designator U30)
U30_ZX "LT6106HS5#TRPBF" LT-S5-5-TSOT-23_M 19.304,24.908 r90 bottom locked (schematic designator U30)
U31_XY "TLV314IDCKR" FP-DCK0005A-MFG 32.512,42.864 r270 bottom locked (schematic designator U31)
U31_YZ "TLV314IDCKR" FP-DCK0005A-MFG 30.48,17.384 r270 bottom locked (schematic designator U31)
U31_ZX "TLV314IDCKR" FP-DCK0005A-MFG 30.48,30.108 r270 bottom locked (schematic designator U31)
U32_XY "CSD17318Q2" CSD17318Q2 36.422,42.294 r0 bottom locked (schematic designator U32)
U32_YZ "CSD17318Q2" CSD17318Q2 34.39,13.103 r0 bottom locked (schematic designator U32)
U32_ZX "CSD17318Q2" CSD17318Q2 34.39,27.689 r0 bottom locked (schematic designator U32)
U33 "TLV314IDCKR" FP-DCK0005A-MFG 34.417,32.766 r90 bottom locked
Y1 "NX3215SA-32.768KHZ-EXS00A-MU00525" FP-NX3215SA-MFG 39.055,75.16 r270 bottom locked
Y2 "NX3225GA-16.000M-STD-CRG-2" FP-NX3225GA-MFG 39.055,74.16 r90 top locked
Y3 "NX3215SA-32.768KHZ-EXS00A-MU00525" FP-NX3215SA-MFG 5.08,68.04 r270 bottom locked
Y4 "NX3225GA-16.000M-STD-CRG-2" FP-NX3225GA-MFG 5.08,66.29 r90 top locked

## Footprints (in the part's own frame and the unit in brackets; to place one, negate y for a bottom-side part, rotate by r counter-clockwise, add the part's x,y. Pads: shape width x height; smd on the part's side, far side on the other; paste and mask are expansions set on the pad)
CAPC1608X90X35LL10T15 [mm] "Chip Capacitor, 2-Leads, Body 1.7x0.9mm, IPC High Density"
  rect 0.75x0.85 smd: 1(-0.625,0) 2(0.625,0)
  body extent -0.85,-0.45 0.85,0.45, height 0.9
CAPC1608X90X35LL15T15 [mm] "Chip Capacitor, 2-Leads, Body 1.60x0.81mm, IPC High Density"
  rect 0.85x0.9 smd: 1(-0.65,0) 2(0.65,0)
  body extent -0.88,-0.48 0.87,0.48, height 0.9
CAPC1608X90X35ML10T15 [mm] "Chip Capacitor, 2-Leads, Body 1.60x0.80mm, IPC Low Density"
  rect 0.95x1.05 smd: 1(-0.725,0) 2(0.725,0)
  body extent -0.85,-0.45 0.85,0.45, height 0.9
CAPC2013X140X45NL15T25 [mm] "Chip Capacitor, 2-Leads, Body 2.00x1.25mm, IPC Medium Density"
  rect 1.25x1.45 smd: 1(-0.85,0) 2(0.85,0)
  body extent -1.08,-0.7 1.07,0.7, height 1.4
CSD17318Q2 [mm]
  rect 0.45x0.3 smd: 1(-0.975,0.65) 2(-0.975,0) 3(-0.975,-0.65) 4(0.975,-0.65) 5(0.975,0) 6(0.975,0.65)
  rect 0.75x0.3 smd: 7(0.095,-0.65)
  rect 1x0.95 smd: 8(0,0.325)
  silkscreen extent -1.8,0.6 -1.7,0.7, body extent -1,-1 1,1, height 0.9
FP-90120-0125-MFG [mm]
  rect 1.55x1.55 hole 1 paste-2539.97 mask+0: 1(-5.08,0)
  round 1.55 hole 1 paste-2539.97 mask+0: 2(-2.54,0) 3(0,0) 4(2.54,0) 5(5.08,0)
  silkscreen extent -7.07,-1.27 6.35,1.27, body extent -6.45,-1.37 6.45,1.37, height 0.25
FP-473460001-MFG [mm]
  rect 0.45x1.38 smd paste+0 mask+0: 1(-1.3,2.31) 2(-0.65,2.31) 3(0,2.31) 4(0.65,2.31) 5(1.3,2.31)
  rect 1.425x1.55 smd paste+0 mask+0: 6(-2.488,2.225) 7(2.488,2.225)
  rect 1.65x1.3 smd paste+0 mask+0: 8(-3.375,-0.35) 11(3.375,-0.35)
  rect 1.8x1.9 smd paste+0 mask+0: 9(-1.15,-0.35)
  rect 1x1.9 smd paste+0 mask+0: 10(1.55,-0.35)
  silkscreen extent -4.05,0.67 4.05,3.97, body extent -4.3,-2.48 4.3,3.45, height 0.25
FP-532611071-MFG [mm]
  rect 0.8x1.6 smd paste+0 mask+0: 1(5.625,-2.4) 2(4.375,-2.4) 3(3.125,-2.4) 4(1.875,-2.4) 5(0.625,-2.4) 6(-0.625,-2.4) 7(-1.875,-2.4) 8(-3.125,-2.4) 9(-4.375,-2.4) 10(-5.625,-2.4)
  rect 2.1x3 smd paste+0 mask+0: 11(-8.175,0.5) 12(8.175,0.5)
  Keep-Out Layer region: -7.125,-2 -6.125,-2 -6.125,-0.2 -7.125,-0.2
  Keep-Out Layer region: 6.125,-2 7.125,-2 7.125,-0.2 6.125,-0.2
  Keep-Out Layer region: 6.125,1.2 7.125,1.2 7.125,3 6.125,3
  Keep-Out Layer region: -7.125,1.2 -6.125,1.2 -6.125,3 -7.125,3
  silkscreen extent -8.72,-4.2 8.72,2.7, body extent -9.33,-3.3 9.33,2.8, height 0.25
FP-533980471-MFG [mm]
  rect 0.8x1.3 smd paste+0 mask+0: 1(1.875,-2) 2(0.625,-2) 3(-0.625,-2) 4(-1.875,-2)
  rect 2.1x3 smd paste+0 mask+0: 5(-4.425,0.75) 6(4.425,0.75)
  silkscreen extent -4.97,-3.37 4.97,1.95, body extent -5.58,-2.75 5.58,2.35, height 0.25
FP-C0603C-CF-MFG [mm]
  rect 0.75x0.9 smd paste+0 mask+0: 1(-0.6,0) 2(0.6,0)
  silkscreen extent -0.87,-0.85 0.88,0.85, body extent -0.8,-0.4 0.8,0.4, height 0.87
FP-CBR06C-MFG [mm]
  rect 0.75x0.9 smd paste+0 mask+0: 1(-0.6,0) 2(0.6,0)
  silkscreen extent -0.85,-0.82 0.85,0.82, body extent -1.2,-0.6 1.2,0.6, height 0.25
FP-CSR0603-IPC_A [mm]
  rect 1.158x1.012 smd paste+0 mask+0: 1(-0.827,0) 2(0.827,0)
  silkscreen extent -1.41,-0.91 1.41,0.91, body extent -0.8,-0.4 0.8,0.4, height 0.55
FP-DC8-8-05-08-1719-IPC_C [mm]
  rect 0.736x0.222 smd paste+0 mask+0: 1(-0.888,0.675)
  rrect100% 0.736x0.222 smd paste+0 mask+0: 2(-0.888,0.225) 3(-0.888,-0.225) 4(-0.888,-0.675) 5(0.888,-0.675) 6(0.888,-0.225) 7(0.888,0.225) 8(0.888,0.675)
  rect 0.74x1.47 smd paste-1000 mask+0: 9(0,0)
  silkscreen extent -1.78,-1 1,1, body extent -1,-1 1,1, height 0.8
FP-DCK0005A-MFG [mm]
  rect 0.9x0.4 smd paste-1000 mask+0: 1(-1.1,0.65) 2(-1.1,0) 3(-1.1,-0.65) 4(1.1,-0.65) 5(1.1,0.65)
  silkscreen extent -2.22,-1.07 0.27,1.07, body extent -1.1,-1 1.1,1, height 1.1
FP-DCN0008A-IPC_C [mm]
  rect 1.205x0.415 smd paste+0 mask+0: 1(-1.05,0.975)
  rrect100% 1.205x0.415 smd paste+0 mask+0: 2(-1.05,0.325) 3(-1.05,-0.325) 4(-1.05,-0.975) 5(1.05,-0.975) 6(1.05,-0.325) 7(1.05,0.325) 8(1.05,0.975)
  silkscreen extent -2.42,-1.45 0.05,1.45, body extent -1.4,-1.45 1.4,1.45, height 1.45
FP-DCU0008A-IPC_B [mm]
  rect 1.16x0.237 smd paste+0 mask+0: 1(-1.376,0.75)
  rrect100% 1.16x0.237 smd paste+0 mask+0: 2(-1.376,0.25) 3(-1.376,-0.25) 4(-1.376,-0.75) 5(1.376,-0.75) 6(1.376,-0.25) 7(1.376,0.25) 8(1.376,0.75)
  silkscreen extent -2.67,-1 0.3,1, body extent -1.55,-1 1.55,1, height 0.9
FP-DRL0006A-MFG [mm]
  rrect33% 0.67x0.3 smd paste+0 mask+0: 1(-0.74,0.5) 2(-0.74,0) 3(-0.74,-0.5) 4(0.74,-0.5) 5(0.74,0) 6(0.74,0.5)
  silkscreen extent -1.9,-1.05 0.65,1.05, body extent -1.17,-1.1 1.17,1.1, height 0.25
FP-DSJ0014A-MFG [mm]
  rrect100% 0.24x0.6 smd paste+0 mask+0: 1(-1.5,-1.4) 2(-1,-1.4) 3(-0.5,-1.4) 4(0,-1.4) 5(0.5,-1.4) 6(1,-1.4) 7(1.5,-1.4) 8(1.5,1.4) 9(1,1.4) 10(0.5,1.4) 11(0,1.4) 12(-0.5,1.4) 13(-1,1.4) 14(-1.5,1.4)
  round 1.422 smd paste-1000 mask+0: 15(0,0)
  Top Layer region: -2.2,0.79 2.2,0.79 2.2,0.59 1.425,0.59 1.425,0.33 2.2,0.33 2.2,0.13 1.425,0.13 1.425,-0.13 2.2,-0.13 2.2,-0.33 1.425,-0.33 1.425,-0.59 2.2,-0.59 2.2,-0.79 -2.2,-0.79 -2.2,-0.59 -1.425,-0.59 -1.425,-0.33 -2.2,-0.33 -2.2,-0.13 -1.425,-0.13 -1.425,0.13 -2.2,0.13 -2.2,0.33 -1.425,0.33 -1.425,0.59 -2.2,0.59
  silkscreen extent -2.9,-1.6 2.07,1.58, body extent -2.3,-1.8 2.3,1.8, height 0.25
FP-ERA3A-IPC_B [mm]
  rect 1.055x1.006 smd paste+0 mask+0: 1(-0.726,0) 2(0.726,0)
  silkscreen extent -1.25,-0.9 1.25,0.9, body extent -1.5,-0.75 1.5,0.75, height 0.25
FP-ERA3A-IPC_C [mm]
  rect 0.805x0.906 smd paste+0 mask+0: 1(-0.65,0) 2(0.65,0)
  silkscreen extent -1.05,-0.9 1.05,0.9, body extent -1.15,-0.6 1.15,0.6, height 0.25
FP-ERA3A-MFG [mm]
  rect 0.65x0.9 smd paste+0 mask+0: 1(-0.725,0) 2(0.725,0)
  silkscreen extent 0,-0.5 0,0.5, body extent -1.15,-0.6 1.15,0.6, height 0.25
FP-ERJ3EK-IPC_C [mm]
  rect 0.757x0.862 smd paste+0 mask+0: 1(-0.651,0) 2(0.651,0)
  silkscreen extent -1.03,-0.87 1.03,0.87, body extent -0.8,-0.4 0.8,0.4, height 0.55
FP-ERJ3EK-MFG [mm]
  rect 0.65x0.9 smd paste+0 mask+0: 1(-0.725,0) 2(0.725,0)
  silkscreen extent 0,-0.48 0,0.48, body extent -0.8,-0.4 0.8,0.4, height 0.55
FP-ERJP03-MFG [mm]
  rect 0.65x0.9 smd paste+0 mask+0: 1(-0.725,0) 2(0.725,0)
  silkscreen extent -0.87,-0.62 0.87,0.63, body extent -1.15,-0.58 1.15,0.58, height 0.25
FP-FSM2JSMAA-MFG [mm]
  rect 1.38x2.1 smd paste+0 mask+0: 1(2.25,4.55) 2(2.24,-4.55) 3(-2.24,4.55) 4(-2.24,-4.55)
  silkscreen extent -3.15,-3.15 3.15,6.5, body extent -3.25,-5.7 3.25,5.7, height 0.25
FP-GRM21B-0_2-e0_2_0_7-IPC_C#1 [mm]
  rect 1.055x1.356 smd paste+0 mask+0: 1(-0.726,-0.221) 2(0.726,-0.221)
  silkscreen extent -1.25,-1.12 1.25,1.12, body extent -1,-0.63 1,0.63, height 1.45
FP-GRM21B-0_2-e0_2_0_7-IPC_C#2 [mm]
  rect 1.055x1.356 smd paste+0 mask+0: 1(-0.726,0) 2(0.726,0)
  silkscreen extent -1.25,-1.12 1.25,1.12, body extent -1,-0.63 1,0.63, height 1.45
FP-GRM188-0_1-e0_2_0_5-IPC_A [mm]
  rect 1.159x1.012 smd paste+0 mask+0: 1(-0.827,0) 2(0.827,0)
  silkscreen extent -1.41,-0.91 1.41,0.91, body extent -0.8,-0.4 0.8,0.4, height 0.9
FP-GRM188-0_15-IPC_A [mm]
  rect 1.256x1.058 smd paste+0 mask+0: 1(-0.801,0) 2(0.801,0)
  silkscreen extent -1.43,-0.93 1.43,0.93
FP-IPT1-105-03-L-D-MFG [mm]
  rect 1.57x1.57 hole 1.02 paste-2539.97 mask+0: 1(-5.08,-1.27)
  round 1.57 hole 1.02 paste-2539.97 mask+0: 2(-5.08,1.27) 3(-2.54,-1.27) 4(-2.54,1.27) 5(0,-1.27) 6(0,1.27) 7(2.54,-1.27) 8(2.54,1.27) 9(5.08,-1.27) 10(5.08,1.27)
  silkscreen extent -7.53,-2.61 6.73,2.61, body extent -6.6,-2.54 6.6,2.54, height 11.43
FP-LQFP100-1L-MFG [mm]
  rect 1.2x0.3 smd paste+0 mask+0: 1(-7.75,6) 2(-7.75,5.5) 3(-7.75,5) 4(-7.75,4.5) 5(-7.75,4) 6(-7.75,3.5) 7(-7.75,3) 8(-7.75,2.5) 9(-7.75,2) 10(-7.75,1.5) 11(-7.75,1) 12(-7.75,0.5) 13(-7.75,0) 14(-7.75,-0.5) 15(-7.75,-1) 16(-7.75,-1.5) 17(-7.75,-2) 18(-7.75,-2.5) 19(-7.75,-3) 20(-7.75,-3.5) 21(-7.75,-4) 22(-7.75,-4.5) 23(-7.75,-5) 24(-7.75,-5.5) 25(-7.75,-6) 51(7.75,-6) 52(7.75,-5.5) 53(7.75,-5) 54(7.75,-4.5) 55(7.75,-4) 56(7.75,-3.5) 57(7.75,-3) 58(7.75,-2.5) 59(7.75,-2) 60(7.75,-1.5) 61(7.75,-1) 62(7.75,-0.5) 63(7.75,0) 64(7.75,0.5) 65(7.75,1) 66(7.75,1.5) 67(7.75,2) 68(7.75,2.5) 69(7.75,3) 70(7.75,3.5) 71(7.75,4) 72(7.75,4.5) 73(7.75,5) 74(7.75,5.5) 75(7.75,6)
  rect 0.3x1.2 smd paste+0 mask+0: 26(-6,-7.75) 27(-5.5,-7.75) 28(-5,-7.75) 29(-4.5,-7.75) 30(-4,-7.75) 31(-3.5,-7.75) 32(-3,-7.75) 33(-2.5,-7.75) 34(-2,-7.75) 35(-1.5,-7.75) 36(-1,-7.75) 37(-0.5,-7.75) 38(0,-7.75) 39(0.5,-7.75) 40(1,-7.75) 41(1.5,-7.75) 42(2,-7.75) 43(2.5,-7.75) 44(3,-7.75) 45(3.5,-7.75) 46(4,-7.75) 47(4.5,-7.75) 48(5,-7.75) 49(5.5,-7.75) 50(6,-7.75) 76(6,7.75) 77(5.5,7.75) 78(5,7.75) 79(4.5,7.75) 80(4,7.75) 81(3.5,7.75) 82(3,7.75) 83(2.5,7.75) 84(2,7.75) 85(1.5,7.75) 86(1,7.75) 87(0.5,7.75) 88(0,7.75) 89(-0.5,7.75) 90(-1,7.75) 91(-1.5,7.75) 92(-2,7.75) 93(-2.5,7.75) 94(-3,7.75) 95(-3.5,7.75) 96(-4,7.75) 97(-4.5,7.75) 98(-5,7.75) 99(-5.5,7.75) 100(-6,7.75)
  silkscreen extent -9.12,-7.1 7.1,7.1, body extent -8,-8 8,8, height 1.6
FP-M20-9990245-MFG [mm]
  rect 1.57x1.57 hole 1.02 paste-2539.97 mask+0: 1(-1.27,0)
  round 1.57 hole 1.02 paste-2539.97 mask+0: 2(1.27,0)
  silkscreen extent -2.79,-1.92 2.79,1.32, body extent -2.89,-1.42 2.89,1.42, height 0.25
FP-NX3215SA-MFG [mm]
  rect 1x1.8 smd paste+0 mask+0: 1(-1.25,0) 2(1.25,0)
  silkscreen extent -0.38,-0.8 0.38,0.8, body extent -1.6,-0.75 1.6,0.75, height 0.9